# Altium PCB V5_BASE.PcbDoc (part 2 of 2)
Units mm, origin at the board's own origin, x right, y up, seen from the top; angles counter-clockwise.
Board outline 76 x 39 mm, 4 copper layers (Top Layer, Signal Layer 1, Signal Layer 2, Bottom Layer), stack 1.183 mm thick; 102 components, 180 nets, 665 pads, 337 vias.
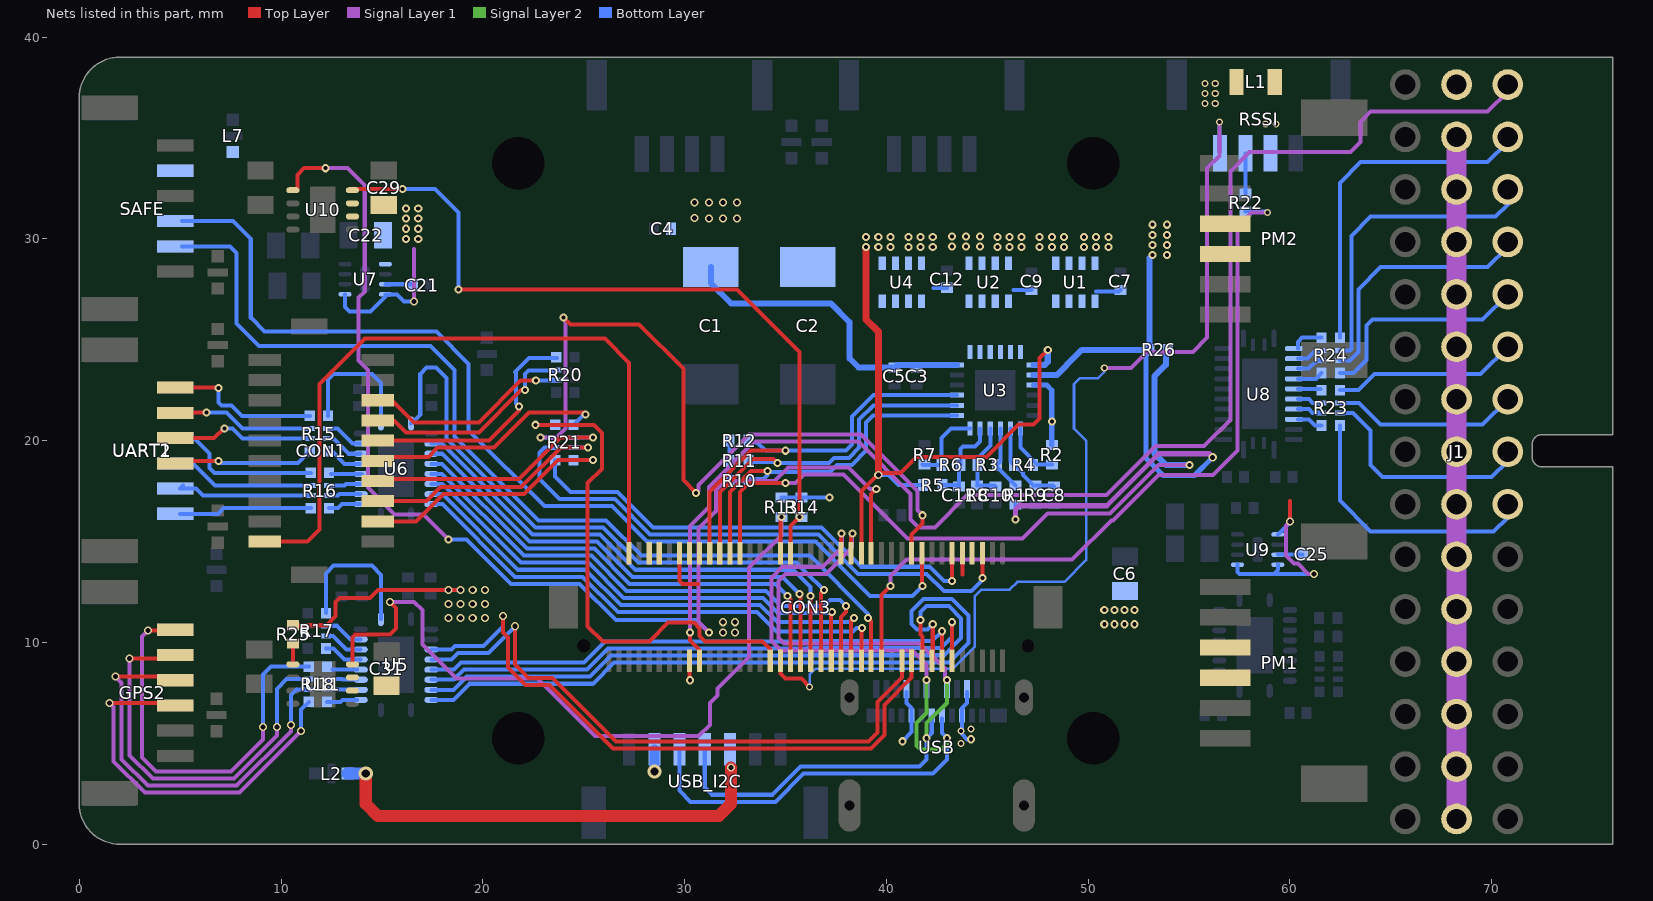
[diagram p4: the nets of this part, all layers, seen from the top]

## Via types
v1: diameter 0.4, hole 0.2, Top Layer to Bottom Layer, tented both sides, 195 vias
v2: diameter 0.4, hole 0.25, Top Layer to Bottom Layer, tented both sides, 88 vias
v3: diameter 0.35, hole 0.2, Top Layer to Bottom Layer, tented both sides, 38 vias
v4: diameter 0.7, hole 0.4, Top Layer to Bottom Layer, tented both sides, 13 vias
v5: diameter 1.6, hole 1.6, Top Layer to Bottom Layer, tented both sides, 2 vias
v6: diameter 0.6, hole 0.4, Top Layer to Bottom Layer, tented both sides, 1 vias

## Nets (pads, with @x,y where several pads share a name; then routed paths per layer and width w, separated by ;. In a path a pad name is that pad's centre, name@x,y a point inside that pad or via, vN(x,y) a via of type N, cw(c..) or ccw(c..) an arc to the next point about the centre after c; other vN are vias at no path point) (continued)
IO-USART1_TX: CON3.46 RSSI.4 | length 49.6
  Top Layer w0.2: CON3.46@34.746,9.091 34.746,8.454 35,8.2 35.8,8.2 v3(36.2,7.8)
  Signal Layer 1 w0.2: v3(50.8,23.6) 52.121,23.6 52.921,24.4 55.2,24.4 55.9,25.1 55.9,33.5 56.5,34.1 v3(56.5,35.8)
  Bottom Layer w0.125: v3(36.2,7.8) 36.2,8.4 36.5,8.7 43.3,8.7 44.373,9.773 44.373,12.273 44.7,12.6 45.46,12.6 45.472,12.612 46.112,12.612 46.5,13 48.825,13 49.9,14.075 49.9,20 49.3,20.6 49.3,22.8 49.6,23.1 50.5,23.1 50.8,23.4 v3(50.8,23.6)
  Bottom Layer w0.2: RSSI.4@56.5,34.276 v3(56.5,35.8)
MCU_3V3: R13.2 R14.2 | length 2.4
  Bottom Layer w0.2: R13.2@34.8,17.175 R14.2@35.8,17.175 v1(37.175,17.175) v1@37.2,17.2
MO_S1: R24.4 U8.14 | length 1.6
  Bottom Layer w0.2: U8.14@60.399,24.564 60.399,24.899 60.6,25.1 R24.4@61.575,25.1
MO_S2: R24.3 U8.15 | length 1.3
  Bottom Layer w0.2: U8.15@60.399,24.064 60.864,24.064 61.275,24.475 R24.3@61.575,24.475
MO_S3: R24.2 U8.16 | length 1.3
  Bottom Layer w0.2: U8.16@60.399,23.564 60.923,23.564 61.334,23.975 R24.2@61.575,23.975
MO_S4: R24.1 U8.17 | length 1.3
  Bottom Layer w0.2: U8.17@60.399,23.064 61.289,23.064 R24.1@61.575,23.35
MO_S5: R23.4 U8.18 | length 1.1
  Bottom Layer w0.2: U8.18@60.399,22.564 R23.4@61.511,22.564
MO_S6: R23.3 U8.19 | length 1.3
  Bottom Layer w0.2: U8.19@60.399,22.064 60.936,22.064 61.125,21.875 R23.3@61.575,21.875
MO_S7: R23.2 U8.20 | length 1.3
  Bottom Layer w0.2: U8.20@60.399,21.56 60.94,21.56 61.125,21.375 R23.2@61.575,21.375
MO_S8: R23.1 U8.21 | length 1.3
  Bottom Layer w0.2: U8.21@60.399,21.052 60.948,21.052 61.25,20.75 R23.1@61.575,20.75
NetC8_1: C8.1 R4.1 R9.2 U3.2 | length 4.3
  Bottom Layer w0.2: U3.2@46.15,20.6 46.15,18.975 R4.1@46.325,18.8 46.375,18.8 46.775,18.4 46.775,18.304 47.304,17.775 R9.2@47.4,17.775 48.25,17.775 C8.1@48.3,17.725
NetC10_1: C10.1 R3.1 R8.2 U3.4 | length 4
  Bottom Layer w0.2: U3.4@45.15,20.6 45.15,19.75 44.525,19.125 R3.1@44.525,18.8 44.525,17.8 R8.2@44.5,17.775 45.35,17.775 C10.1@45.4,17.725
NetC11_1: C11.1 R5.1 R6.2 U3.5 | length 4.5
  Bottom Layer w0.2: R5.1@42.775,17.8 43.525,17.8 C11.1@43.6,17.725 43.6,18.725 R6.2@43.675,18.8 43.675,19.575 43.8,19.7 44.4,19.7 44.65,19.95 U3.5@44.65,20.6
NetC21_1: C21.1 U7.3 | length 1.3
  Bottom Layer w0.2: U7.3@15.168,27.75 C21.1@16.493,27.75
NetC25_1: C25.1 U9.3 | length 1.2
  Bottom Layer w0.2: U9.3@59.4,14.35 C25.1@60.624,14.35
NetR1_1: R1.1 R3.2 U3.3 | length 3.3
  Bottom Layer w0.2: U3.3@45.65,20.6 45.65,18.975 R3.2@45.475,18.8 45.475,18.7 R1.1@46.4,17.775
NetR2_1: R2.1 R4.2 U3.1 | length 2.8
  Bottom Layer w0.2: U3.1@46.65,20.6 46.65,19.65 47.475,18.825 R2.1@48.2,18.825
NetR6_1: R6.1 R7.2 U3.6 | length 3.9
  Bottom Layer w0.2: R7.2@41.8,18.825 41.825,18.8 R6.1@42.725,18.8 42.725,20.125 43.2,20.6 U3.6@44.15,20.6
NetR10_1: R10.1 R11.1 R12.1 | length 2
  Bottom Layer w0.2: R10.1@32.225,18 R11.1@32.225,19 R12.1@32.225,20
NetR15_1: R15.1 U6.20 | length 6.7
  Bottom Layer w0.2: R15.1@12.325,21.225 12.325,23.025 12.6,23.3 14.5,23.3 14.95,22.85 U6.20@14.95,20.85
NetR15_2: R15.2 U6.18 | length 1.9
  Bottom Layer w0.2: R15.2@12.325,20.6 12.8,20.6 13.55,19.85 U6.18@13.95,19.85
NetR15_3: R15.3 U6.17 | length 1.9
  Bottom Layer w0.2: R15.3@12.325,20.1 12.6,20.1 13.35,19.35 U6.17@13.95,19.35
NetR15_4: R15.4 U6.16 | length 1.9
  Bottom Layer w0.2: R15.4@12.325,19.475 12.525,19.475 13.15,18.85 U6.16@13.95,18.85
NetR16_1: R16.1 U6.15 | length 1.5
  Bottom Layer w0.2: R16.1@12.475,18.35 U6.15@14,18.35
NetR16_2: R16.2 U6.14 | length 1.6
  Bottom Layer w0.2: R16.2@12.375,17.775 13.15,17.775 13.225,17.85 U6.14@13.95,17.85
NetR16_3: R16.3 U6.13 | length 1.6
  Bottom Layer w0.2: R16.3@12.375,17.275 12.825,17.275 12.9,17.35 U6.13@13.95,17.35
NetR16_4: R16.4 U6.12 | length 1.7
  Bottom Layer w0.2: R16.4@12.375,16.65 12.825,16.65 13.025,16.85 U6.12@13.95,16.85
NetR17_1: R17.1 U5.20 | length 7.2
  Bottom Layer w0.2: R17.1@12.225,11.45 12.225,13.425 12.6,13.8 14.5,13.8 14.95,13.35 U5.20@14.95,11.15
NetR17_2: R17.2 U5.18 | length 2
  Bottom Layer w0.2: R17.2@12.225,10.825 12.775,10.825 13.45,10.15 U5.18@13.95,10.15
NetR17_3: R17.3 U5.17 | length 2
  Bottom Layer w0.2: R17.3@12.225,10.325 12.575,10.325 13.25,9.65 U5.17@13.95,9.65
NetR17_4: R17.4 U5.16 | length 2
  Bottom Layer w0.2: R17.4@12.225,9.7 12.6,9.7 13.15,9.15 U5.16@13.95,9.15
NetR18_5: R18.5 U5.15 | length 1.2
  Bottom Layer w0.2: 12.55,8.65 U5.15@13.764,8.65
NetR18_6: R18.6 U5.14 | length 1.5
  Bottom Layer w0.2: R18.6@12.275,8.175 13.025,8.175 13.05,8.15 U5.14@13.764,8.15
NetR18_7: R18.7 U5.13 | length 1.5
  Bottom Layer w0.2: R18.7@12.275,7.675 13.739,7.675 U5.13@13.764,7.65
NetR18_8: R18.8 U5.12 | length 1.5
  Bottom Layer w0.2: R18.8@12.275,7.05 12.95,7.05 13.05,7.15 U5.12@13.764,7.15
NetR25_1: R25.1 U11.5 | length 1
  Top Layer w0.2: U11.5@10.589,8.911 10.589,9.939 R25.1@10.6,9.95
NPOWER_IN_A: CON3.55 R10.2 U3.7 | length 17.9
  Top Layer w0.2: CON3.55@32.246,14.408 32.246,17.456 33.29,18.5 v1(34.1,18.5)
  Bottom Layer w0.2: R10.2@33.175,18.1 33.9,18.1 34.1,18.3 v1(34.1,18.5) 34.15,18.45 37.2,18.45 37.55,18.8 38.29,18.8 39,19.51 39,20.9 39.35,21.25 U3.7@43.5,21.25
NPOWER_IN_B: CON3.57 R11.2 U3.8 | length 19
  Top Layer w0.2: CON3.57@31.746,14.408 31.746,17.451 33.395,19.1 34.4,19.1 v1(34.6,18.9)
  Bottom Layer w0.2: R11.2@33.175,19 33.225,18.95 34.55,18.95 v1(34.6,18.9) 37.155,18.9 37.405,19.15 38.145,19.15 38.65,19.655 38.65,21.045 39.355,21.75 U3.8@43.5,21.75
NPOWER_IN_C: CON3.59 R12.2 U3.9 | length 20.1
  Top Layer w0.2: CON3.59@31.246,14.408 31.246,17.446 33.3,19.5 v1(35,19.5)
  Bottom Layer w0.2: R12.2@33.175,19.9 33.6,19.9 34,19.5 v1(35,19.5) 38,19.5 38.3,19.8 38.3,21.19 39.36,22.25 U3.9@43.5,22.25
NRST: CON3.7
NSAFETY_SWITCH_LED: CON3.28 SAFE.5 | length 47.9
  Top Layer w0.2: v1(39.1,11.2) 39.247,11.053 CON3.28@39.247,9.091
  Bottom Layer w0.2: SAFE.5@5.1,29.625 7.48,29.625 7.8,29.305 7.8,25.8 8.9,24.7 17.41,24.7 18.6,23.51 18.6,20.21 22.76,16.05 26.105,16.05 27.855,14.3 36.21,14.3 39.1,11.41 v1(39.1,11.2)
NVDD_5V_HIPOWER_OC: CON3.45 R13.1 U11.4 | length 38.5
  Top Layer w0.2: U11.4@13.539,8.911 13.539,10.239 13.7,10.4 15.4,10.4 15.7,10.7 15.7,11.7 v2(15.4,12) ; CON3.45@34.746,14.408 v1@34.746,16.146
  Signal Layer 1 w0.2: v2(15.4,12) 16.6,12 17,11.6 17,9.9 18.7,8.2 22.7,8.2 25.55,5.35 30.7,5.35 31.25,5.9 31.25,7 31.625,7.375 31.625,7.705 33.2,9.28 33.2,13.7 34.8,15.3 v1(34.8,16.225)
NVDD_5V_PERIPH_EN: CON3.27 U10.5 | length 59.4
  Top Layer w0.2: U10.5@10.825,32.475 10.825,33.175 11.15,33.5 v1(12.2,33.5) ; CON3.27@39.247,14.408 39.247,17.347 v1(39.5,17.6)
  Signal Layer 1 w0.2: v1(12.2,33.5) 13.3,33.5 14.15,32.65 14.15,27.386 13.85,27.086 13.85,23.96 14.3,23.51 14.3,17.674 15.624,16.35 17.05,16.35 v1(18.3,15.1) ; v1(31.2,10.5) 30.7,11 30.7,15.65 31.55,16.5 31.55,17.55 32,18 34.464,18 35.139,18.675 38.125,18.675 39.2,17.6 v1(39.5,17.6)
  Bottom Layer w0.2: v1(18.3,15.1) 19.2,15.1 21.4,12.9 24.8,12.9 26.6,11.1 30.6,11.1 v1(31.2,10.5)
NVDD_5V_PERIPH_OC: CON3.43 R14.1 U10.4 | length 37.9
  Top Layer w0.2: U10.4@13.539,32.475 v1(16.025,32.475) ; v1(18.8,27.5) 32.6,27.5 35.7,24.4 v1(35.7,16.225) 35.246,15.771 CON3.43@35.246,14.408
  Bottom Layer w0.2: v1(16.025,32.475) 17.625,32.475 18.8,31.3 v1(18.8,27.5)
OTG_N: CON3.33 USB.A7 USB.B7 USB_I2C.3 | length 41.8
  Top Layer w0.2: CON3.33@37.749,14.408 v1@37.749,15.374
  Signal Layer 1 w0.2: v1@37.8,15.4 37.8,14.695 36.855,13.75 34.855,13.75 34.3,13.195 34.3,10.075 34.775,9.6 41.3,9.6 42,8.9 v1(42,8.135)
  Signal Layer 2 w0.2: v1(42,8.135) 42,6.5 41.5,6 41.5,4.9 41.7,4.7 42.7,4.7 43,5 v1(43,5.25)
  Bottom Layer w0.2: USB_I2C.3@29.75,4.7 29.75,2.65 30.3,2.1 34.5,2.1 35.9,3.5 42.3,3.5 43,4.2 v1(43,5.25) 42.75,5.5 USB.B7@42.75,6.235
  other v1: 37.775,15.4
OTG_P: CON3.31 USB.A6 USB.B6 USB_I2C.4 | length 37.5
  Top Layer w0.2: CON3.31@38.257,14.408 v1@38.257,15.332
  Signal Layer 1 w0.2: v1@38.3,15.4 38.3,14.7 37,13.4 35,13.4 34.65,13.05 34.65,10.22 34.92,9.95 41.65,9.95 42.9,8.7 42.9,8.235 v1(43,8.135)
  Signal Layer 2 w0.2: v1(42,5.25) 42,6 43,7 v1(43,8.135)
  Bottom Layer w0.2: USB_I2C.4@31,4.7 31,2.8 31.35,2.45 34.355,2.45 35.755,3.85 41.65,3.85 42,4.2 v1(42,5.25) 42.25,5.5 USB.B6@42.25,6.235
  other v1: 38.325,15.4
OUT1: J1.2 R24.5 | length 17.1
  Bottom Layer w0.2: R24.5@62.475,25.1 62.475,32.775 63.5,33.8 69.8,33.8 70.799,34.799 J1.2@70.799,35.048
OUT2: J1.3 R24.6 | length 15.3
  Bottom Layer w0.2: R24.6@62.475,24.475 62.975,24.475 63.05,24.55 63.05,30.15 64,31.1 70.2,31.1 70.799,31.699 J1.3@70.799,32.448
OUT3: J1.4 R24.7 | length 12.7
  Bottom Layer w0.2: R24.7@62.475,23.975 62.975,23.975 63.4,24.4 63.4,27.5 64.5,28.6 69.8,28.6 70.799,29.599 J1.4@70.799,29.848
OUT4: J1.5 R24.8 | length 10.9
  Bottom Layer w0.2: R24.8@62.475,23.35 63.15,23.35 63.8,24 63.8,25.7 64.1,26 69.551,26 J1.5@70.799,27.248
OUT5: J1.6 R23.5 | length 9.2
  Bottom Layer w0.2: R23.5@62.475,22.5 63.4,22.5 64.2,23.3 69.451,23.3 J1.6@70.799,24.648
OUT6: J1.7 R23.6 | length 9.3
  Bottom Layer w0.2: R23.6@62.475,21.875 63.425,21.875 64.5,20.8 69.551,20.8 J1.7@70.799,22.048
OUT7: J1.8 R23.7 | length 11.4
  Bottom Layer w0.2: R23.7@62.475,21.375 63.125,21.375 64,20.5 64,18.8 64.6,18.2 70,18.2 70.799,18.999 J1.8@70.799,19.448
OUT8: J1.9 R23.8 | length 13.6
  Bottom Layer w0.2: R23.8@62.475,20.75 62.475,17.025 64,15.5 70.1,15.5 70.799,16.199 J1.9@70.799,16.848
POWER_B: CON3.53 R26.1 | length 35.8
  Top Layer w0.2: CON3.53@32.746,14.408 32.746,17.461 33.185,17.9 v1(35,17.9)
  Signal Layer 1 w0.2: v1(35,17.9) 35.505,17.9 35.93,18.325 37.87,18.325 41.045,15.15 46.75,15.15 47.998,16.398 51.081,16.398 53.483,18.8 v1(55.025,18.8)
  Bottom Layer w0.3: R26.1@53.85,24.5 53.85,23.757 53.3,23.207 53.3,19.35 53.85,18.8 v1(55.025,18.8)
RC_IN_PORT: CON3.62 J1.1 | length 69.3
  Top Layer w0.2: v1(30.276,10.501) 30.276,10.099 30.475,9.9 30.477,9.9 30.746,9.631 CON3.62@30.746,9.091
  Signal Layer 1 w0.2: v1(30.276,10.501) 30.276,15.776 31.2,16.7 31.2,17.7 33.45,19.95 38.61,19.95 41.2,17.36 41.2,16.1 41.6,15.7 42.4,15.7 44,17.3 50.917,17.3 53.344,19.727 55.752,19.727 57.05,21.025 57.05,33.35 58,34.3 63,34.3 63.5,34.8 63.5,35.8 64,36.3 69.8,36.3 70.799,37.299 J1.1@70.799,37.648
RC_VCC: J1.RC_VCC L1.1 RSSI.2
  other v3: 58.8,35.7 59.3,35.7
RSSI: R22.2 RSSI.3 | length 2
  Bottom Layer w0.2: R22.2@57.8,32.25 RSSI.3@57.8,34.226
RSSI_IN_CHANNEL: CON3.26 R22.1 | length 38.1
  Top Layer w0.2: CON3.26@39.755,9.091 39.755,12.355 v1(40.2,12.8)
  Signal Layer 1 w0.2: v1(40.2,12.8) 40.2,13.3 41,14.1 49.2,14.1 51.148,16.048 51.226,16.048 53.478,18.3 56.2,18.3 57.4,19.5 57.4,30.6 58.1,31.3 v3(58.9,31.3)
  Bottom Layer w0.2: R22.1@57.8,31.35 v3@58.85,31.35
S.BUS_OUT: CON3.64 | length 0.8
  Top Layer w0.2: v1@30.246,8.125 CON3.64@30.246,8.942
  other v1: 30.275,8.125
SAFE_VCC: L7.P$2 SAFE.2
SAFETY: CON3.17 SAFE.4 | length 50.4
  Top Layer w0.2: v1@41.762,12.838 CON3.17@41.762,14.408
  Bottom Layer w0.2: SAFE.4@5.1,30.875 7.625,30.875 8.5,30 8.5,26.09 9.19,25.4 17.7,25.4 19.3,23.8 19.3,20.5 23.05,16.75 26.395,16.75 28.145,15 36.5,15 39.2,12.3 41.3,12.3 v1(41.8,12.8)
SCALED_V5_CH_IN: CON1.10 CON3.75 | length 36.4
  Top Layer w0.2: CON1.10@9.2,15 11.3,15 11.9,15.6 11.9,22.8 14.15,25.05 26.05,25.05 27.246,23.854 CON3.75@27.246,14.408
SERIAL1_CTS: CON3.44 U6.5 | length 23.6
  Top Layer w0.2: v1(35.1,12.3) 35.246,12.154 CON3.44@35.246,9.091
  Bottom Layer w0.2: U6.5@17.45,18.85 17.98,18.85 22.18,14.65 25.525,14.65 27.275,12.9 34.5,12.9 v1(35.1,12.3)
SERIAL1_RTS: CON3.42 U6.4 | length 24.4
  Top Layer w0.2: CON3.42@35.746,9.091 v1@35.746,12.354
  Bottom Layer w0.2: U6.4@17.45,19.35 17.975,19.35 22.325,15 25.67,15 27.42,13.25 34.85,13.25 v1(35.7,12.4)
SERIAL1_RX: CON3.38 U6.1 | length 32.6
  Top Layer w0.2: CON3.38@36.758,9.091 36.758,12.458 v1(36.9,12.6)
  Bottom Layer w0.2: U6.1@16.45,20.85 16.9,21.3 16.9,23.3 17.214,23.614 17.686,23.614 18.2,23.1 18.2,20.115 22.615,15.7 25.96,15.7 27.71,13.95 35.545,13.95 35.995,13.5 36,13.5 v1(36.9,12.6)
SERIAL1_TX: CON3.40 U6.3 | length 25.4
  Top Layer w0.2: CON3.40@36.25,9.091 v1(36.25,12.3)
  Bottom Layer w0.2: U6.3@17.45,19.85 17.97,19.85 22.47,15.35 25.815,15.35 27.565,13.6 35.4,13.6 36.25,12.75 v1(36.25,12.3)
SERIAL2_CTS: CON3.32 U6.8 | length 25.8
  Top Layer w0.2: CON3.32@38.257,9.091 38.25,9.098 38.25,11.05 v1(38.4,11.2)
  Bottom Layer w0.2: U6.8@17.45,17.35 17.995,17.35 21.745,13.6 25.09,13.6 26.84,11.85 33.745,11.85 34.595,11 38.2,11 v1(38.4,11.2)
SERIAL2_RTS: CON3.30 U6.9 | length 25.7
  Top Layer w0.2: CON3.30@38.765,9.091 v1@38.765,10.719
  Bottom Layer w0.2: U6.9@17.45,16.85 18,16.85 21.6,13.25 24.945,13.25 26.695,11.5 33.6,11.5 34.55,10.55 38.35,10.55 38.519,10.719 v1(38.797,10.719)
SERIAL2_RX: CON3.34 U6.6 | length 26.3
  Top Layer w0.2: CON3.34@37.749,9.091 37.749,11.249 38,11.5 v1(38,11.8)
  Bottom Layer w0.2: U6.6@17.45,18.35 17.985,18.35 22.035,14.3 25.38,14.3 27.13,12.55 34.035,12.55 34.785,11.8 36.9,11.8 37.2,12.1 37.7,12.1 v1(38,11.8)
SERIAL2_TX: CON3.36 U6.7 | length 24.9
  Top Layer w0.2: CON3.36@37.266,9.091 v1@37.266,11.466
  Bottom Layer w0.2: U6.7@17.45,17.85 17.99,17.85 21.89,13.95 25.235,13.95 26.985,12.2 33.89,12.2 34.64,11.45 37.25,11.45 v1(37.3,11.5)
SERIAL3_RX: CON3.20 U5.4 | length 32
  Top Layer w0.2: v2(21,11.3) 21,10.5 21.25,10.25 21.25,8.755 22.11,7.895 23.305,7.895 26.45,4.75 39.25,4.75 39.9,5.4 39.9,6.9 41.254,8.254 CON3.20@41.254,9.091
  Bottom Layer w0.2: U5.4@17.45,9.65 18.45,9.65 18.625,9.825 20.025,9.825 21,10.8 v2(21,11.3)
SERIAL3_TX: CON3.22 U5.5 | length 30.5
  Top Layer w0.2: v2(21.6,10.8) 21.6,8.9 22.255,8.245 23.45,8.245 26.595,5.1 39.105,5.1 39.55,5.545 39.55,7.045 40.771,8.266 CON3.22@40.771,9.091
  Bottom Layer w0.2: U5.5@17.45,9.15 18.445,9.15 18.77,9.475 20.275,9.475 v2(21.6,10.8)
SERIAL4_RX: CON3.16 U5.9 | length 36.3
  Top Layer w0.2: CON3.16@42.27,9.091 42.3,9.122 v1(42.3,10.9)
  Bottom Layer w0.2: U5.9@17.45,7.15 18.55,7.15 19.35,7.95 25.45,7.95 26.5,9 36.358,9 36.371,9.012 43.112,9.012 44.06,9.96 44.06,11.331 43.242,12.15 41.85,12.15 41.25,11.55 41.25,10.914 41.514,10.65 42.05,10.65 v1(42.3,10.9)
SERIAL4_TX: CON3.18 U5.8 | length 33.1
  Top Layer w0.2: v1(41.7,11.1) 41.7,10.4 41.8,10.3 41.8,9.13 CON3.18@41.762,9.091
  Bottom Layer w0.2: U5.8@17.45,7.65 18.555,7.65 19.205,8.3 25.305,8.3 26.355,9.35 36.213,9.35 36.226,9.362 42.857,9.362 43.71,10.215 43.71,11.186 43.097,11.8 42,11.8 41.7,11.5 v1(41.7,11.1)
SERIAL5_RX: CON3.12 U5.7 | length 29.3
  Top Layer w0.2: CON3.12@43.26,9.091 v1(43.26,11)
  Bottom Layer w0.2: U5.7@17.45,8.15 18.56,8.15 19.06,8.65 25.16,8.65 26.21,9.7 36.068,9.7 36.081,9.712 42.712,9.712 43.26,10.26 v1(43.26,11)
SERIAL5_TX: CON3.14 U5.6 | length 27.6
  Top Layer w0.2: CON3.14@42.752,9.091 v1(42.752,10.552)
  Bottom Layer w0.2: U5.6@17.45,8.65 18.565,8.65 18.915,9 25.015,9 26.065,10.05 35.923,10.05 35.936,10.062 42.262,10.062 v1(42.752,10.552)
SERVO_G: U2.2 U2.4 U3.15
SERVO_VCC: "J1.SERVO VCC" | length 33.8
  Signal Layer 1 w1: 68.259,1.248 68.259,3.848 68.259,6.448 68.259,9.048 68.259,11.648 68.259,14.248 68.259,16.848 68.259,19.448 68.259,22.048 68.259,24.648 68.259,27.248 68.259,29.848 68.259,32.448 68.259,35.048
SERVO_VS: C9.1 U2.1 U2.3 U3.16 | length 0.9
  Bottom Layer w0.2: 46.313,27.475 C9.1@47.2,27.475
SPI5_CS1: CON1.15 R21.1 | length 12.2
  Top Layer w0.2: CON1.15@14.8,19 15,19.2 17.3,19.2 17.75,19.65 20.55,19.65 22.3,21.4 25,21.4 v1(25.1,21.3)
  Bottom Layer w0.2: R21.1@24.489,20.786 25.003,21.3 v1(25.1,21.3)
SPI5_CS1_EX1: CON3.48 R21.8 | length 25.4
  Top Layer w0.2: v1(22.617,20.786) 25.514,20.786 25.911,20.389 25.911,18.606 25.2,17.895 25.2,10.8 25.95,10.05 28.25,10.05 29.175,10.975 30.463,10.975 30.75,10.688 30.75,10.314 31.014,10.05 33.85,10.05 34.246,9.654 CON3.48@34.246,9.091
  Bottom Layer w0.2: v1(22.617,20.786) R21.8@23.589,20.786
SPI5_CS2: CON1.13 R21.3 | length 12.2
  Top Layer w0.2: CON1.13@14.8,17 17.2,17 17.9,17.7 21.905,17.7 23.865,19.66 v1(25.214,19.66)
  Bottom Layer w0.2: R21.3@24.489,19.661 v1(25.214,19.66)
SPI5_CS2_EX1: CON3.5 R21.6 | length 28
  Top Layer w0.2: v1(44.759,13.2) CON3.5@44.759,14.408
  Bottom Layer w0.2: R21.6@23.589,19.661 23.061,19.661 22.8,19.4 22.8,18.1 23.8,17.1 26.54,17.1 28.29,15.35 36.645,15.35 38.595,13.4 42,13.4 42.85,12.55 44.208,12.55 44.759,13.101 v1(44.759,13.2)
SPI5_CS3: CON1.14 R21.2 | length 12.5
  Top Layer w0.2: CON1.14@14.8,18 14.9,18.1 21.8,18.1 23.861,20.161 v1(25.461,20.161)
  Bottom Layer w0.2: R21.2@24.489,20.161 v1(25.461,20.161)
SPI5_CS3_EX1: CON3.19 R21.7 | length 37.8
  Top Layer w0.2: v1(24,26.1) 24.35,25.75 27.75,25.75 29.938,23.562 29.938,18.038 v1(30.575,17.4) ; CON3.19@41.254,14.408 41.254,15.354 41.8,15.9 v1(41.8,16.3)
  Signal Layer 1 w0.2: v1(22.863,20.161) 23.661,20.161 24.1,20.6 24.1,26 v1(24,26.1) ; v1@30.698,17.523 30.698,17.798 33.2,20.3 38.755,20.3 41.55,17.505 41.55,16.55 v1(41.8,16.3)
  Bottom Layer w0.2: v1(22.863,20.161) R21.7@23.589,20.161
SPI5_DRDY7: CON1.12 R21.4 | length 12.9
  Top Layer w0.2: CON1.12@14.8,16 16.695,16 18.045,17.35 22.05,17.35 23.736,19.036 v1(25.461,19.036)
  Bottom Layer w0.2: R21.4@24.489,19.036 v1(25.461,19.036)
SPI5_DRDY7_EXTERNAL1: CON3.11 R21.5 | length 24
  Top Layer w0.2: v1(43.26,13.041) CON3.11@43.26,14.408
  Bottom Layer w0.2: R21.5@23.589,19.036 23.589,18.211 24.35,17.45 26.685,17.45 28.435,15.7 36.79,15.7 38.74,13.75 42.145,13.75 42.854,13.041 v1(43.26,13.041)
SPI5_MISO: CON1.16 R20.4 | length 12
  Top Layer w0.2: CON1.16@14.8,20 20.3,20 21.8,21.5 v1(21.8,21.7)
  Bottom Layer w0.2: v1(21.8,21.7) 21.65,21.85 21.65,23.35 21.6,23.4 22.3,24.1 R20.4@23.675,24.1
SPI5_MOSI: CON1.18 R20.2 | length 10.2
  Top Layer w0.2: CON1.18@14.8,22 15.5,22 16.6,20.9 19.8,20.9 21.875,22.975 v1(22.625,22.975)
  Bottom Layer w0.2: v1(22.625,22.975) R20.2@23.675,22.975
SPI5_SCK: CON1.17 R20.3 | length 10.9
  Top Layer w0.2: CON1.17@14.8,21 15.6,21 16.2,20.4 19.8,20.4 21.9,22.5 v1(22.1,22.5)
  Bottom Layer w0.2: v1(22.1,22.5) 22.1,23.3 22.275,23.475 R20.3@23.675,23.475
TELEM1_CTS: R15.7 UART1.5 | length 6.6
  Top Layer w0.2: UART1.5@5.3,21.375 5.475,21.2 5.675,21.4 v1(6.3,21.4)
  Bottom Layer w0.2: v1(6.3,21.4) 7.3,21.4 8.1,20.6 R15.7@11.425,20.6
TELEM1_RTS: R15.8 UART1.6 | length 7.2
  Top Layer w0.2: UART1.6@5,22.625 v1@6.725,22.625
  Bottom Layer w0.2: v1(6.9,22.6) 6.9,21.9 7.05,21.75 7.55,21.75 8.075,21.225 R15.8@11.425,21.225
TELEM1_RX: R15.5 UART1.3 | length 6.8
  Top Layer w0.2: UART1.3@5,18.875 5.125,19 v1(6.9,19)
  Bottom Layer w0.2: v1(6.9,19) 7,18.9 10.849,18.9 10.949,19 10.95,19 R15.5@11.425,19.475
TELEM1_TX: R15.6 UART1.4 | length 6.8
  Top Layer w0.2: UART1.4@5,20.125 6.689,20.125 7.164,20.6 v1(7.2,20.6)
  Bottom Layer w0.2: v1(7.2,20.6) 7.6,20.6 8.1,20.1 R15.6@11.425,20.1
TELEM2_CTS: R16.6 UART2.5 | length 6.8
  Bottom Layer w0.2: UART2.5@5.15,17.775 5,17.625 5.775,17.625 6.125,17.275 R16.6@11.475,17.275
TELEM2_RTS: R16.5 UART2.6 | length 6.6
  Bottom Layer w0.2: UART2.6@5,16.375 6.875,16.375 7.15,16.65 R16.5@11.475,16.65
TELEM2_RX: R16.8 UART2.3 | length 7.6
  Bottom Layer w0.2: UART2.3@5,20.125 5.675,20.125 6.45,19.35 6.45,18.65 6.7,18.4 R16.8@11.475,18.4
TELEM2_TX: R16.7 UART2.4 | length 6.9
  Bottom Layer w0.2: UART2.4@5,18.875 5.625,18.875 6.725,17.775 R16.7@11.475,17.775
TELEM4_RX: GPS2.3 R18.1 | length 19.2
  Top Layer w0.2: v2(1.5,7) GPS2.3@4.911,7
  Signal Layer 1 w0.2: v2(1.5,7) 1.7,6.8 1.7,4.1 3.25,2.55 7.95,2.55 v2(11,5.6)
  Bottom Layer w0.2: v2(11,5.6) 11,6.675 R18.1@11.375,7.05
TELEM4_TX: GPS2.4 R18.2 | length 20.3
  Top Layer w0.2: v2(1.8,8.3) GPS2.4@4.861,8.3 ; GPS2.4@5.036,8.125 GPS2.4@5.161,8
  Signal Layer 1 w0.2: v2(1.8,8.3) 2.1,8 2.1,4.195 3.395,2.9 7.805,2.9 10.5,5.595 v2(10.5,5.9)
  Bottom Layer w0.2: v2(10.5,5.9) 10.5,7.4 10.775,7.675 R18.2@11.375,7.675
TELEM5_RX: GPS2.5 R18.3 | length 19.9
  Top Layer w0.2: v2(2.5,9.2) GPS2.5@4.861,9.2
  Signal Layer 1 w0.2: v2(2.5,9.2) 2.5,4.405 3.655,3.25 7.66,3.25 9.8,5.39 v2(9.8,5.8)
  Bottom Layer w0.2: v2(9.8,5.8) 9.8,7.7 10.275,8.175 R18.3@11.375,8.175
TELEM5_TX: GPS2.6 R18.4 | length 21
  Top Layer w0.2: v2(3.4,10.6) 5.125,10.6 5.225,10.7 GPS2.6@5.3,10.625
  Signal Layer 1 w0.2: v2(3.4,10.6) 3.1,10.3 3.1,4.3 3.8,3.6 7.515,3.6 9.1,5.185 v2(9.1,5.8)
  Bottom Layer w0.2: v2(9.1,5.8) 9.1,8.4 9.5,8.8 R18.4@11.375,8.8
USART1_RX_PROT: CON3.69
USART1_TX_PROT: CON3.71
USB_I2C_VCC: L2.P$2 USB_I2C.5 | length 22.8
  Top Layer w0.6: v4(14.2,3.5) 14.2,2 14.8,1.4 31.7,1.4 32.3,2 v2(32.3,3.8)
  Bottom Layer w0.6: L2.P$2@13.3,3.5 v4(14.2,3.5)
VBUS_G: U3.13 U4.2 U4.4
VBUS_S: C2.A CON3.29 R5.2 U3.19 U4.7 U4.8 USB.A4 USB.A9 USB.B4 USB.B9 USB_I2C.2 | length 38.9
  Top Layer w0.2: CON3.29@38.765,14.408 38.775,14.419 38.775,17.511 39.6,18.336 39.664,18.4 40.7,18.4 41.5,19.2 44.96,19.2 46.56,20.8 47.3,20.8 47.6,21.1 47.6,24.1 v1(48,24.5)
  Top Layer w0.35: v1(39,29.6) 39,26 39.6,25.4 39.6,18.336 v2(39.6,18.3)
  Bottom Layer w0.2: v2(39.6,18.3) 40.1,18.3 40.6,17.8 R5.2@41.825,17.8 ; v1(40.8,5.1) 41.25,5.55 41.25,6.75 41,7 USB.A9@41,7.535 ; USB.A4@44,7.535 44,7 43.75,6.75 43.75,5.45 44,5.2 v1(44.2,5.2)
  Bottom Layer w0.3: U3.19@47.3,23.75 47.85,23.75 48,23.9 v1(48,24.5)
  Bottom Layer w0.5: v4(28.5,3.6) USB_I2C.2@28.5,4.7
  other v1: 39.6,29.6 40.2,29.6 39,30.1 39.6,30.1 40.2,30.1
  other v3: 43.7,5 43.7,5.6 44.2,5.7
VBUS_VS: C12.1 U3.14 U4.1 U4.3 | length 0.7
  Bottom Layer w0.2: 42.325,27.575 C12.1@43,27.575
VDD_5V_BRICK: C6.2 PM1.3 PM1.4 R2.2 U1.7 U1.8 U3.21 | length 3.7
  Bottom Layer w0.254: U3.21@47.3,22.75 47.95,22.75 48.2,22.5 R2.2@48.2,19.775
  other v1: 50.8,10.9 51.3,10.9 51.8,10.9 52.3,10.9 50.8,11.6 51.3,11.6 51.8,11.6 52.3,11.6 48.2,20.957 47.6,29.6 48.2,29.6 48.8,29.6 47.6,30.1 48.2,30.1 48.8,30.1
VDD_5V_BRICK2: PM2.3 PM2.4 R1.2 R26.2 U2.7 U2.8 U3.20 | length 32.7
  Signal Layer 1 w0.254: v1(46.4,16.1) 46.4,16.6 46.575,16.775 50.925,16.775 53.5,19.35 56,19.35 v2(56.175,19.175)
  Bottom Layer w0.2: v1(46.4,16.1) R1.2@46.4,16.825
  Bottom Layer w0.254: R26.2@53.05,24.5 52.873,24.323 52.873,19.127 53.725,18.275 55.275,18.275 v2(56.175,19.175)
  Bottom Layer w0.3: U3.20@47.3,23.25 48.45,23.25 48.938,23.738 48.938,23.75 49.687,24.5 R26.2@53.05,24.5 53.05,29.05 v1(53.2,29.2)
  other v1: 53.9,29.2 43.25,29.625 43.95,29.625 44.65,29.625 53.2,29.7 53.9,29.7 43.25,30.125 43.95,30.125 44.65,30.125 53.2,30.2 53.9,30.2 53.2,30.7 53.9,30.7
VDD_5V_IN: C1.A C3.2 C4.2 C5.2 C22.1 C29.1 C31.1 CON3.9 CON3.61 CON3.63 CON3.65 L1.2 R25.2 U1.5 U1.6 U2.5 U2.6 U3.12 U4.5 U4.6 U7.1 U7.4 U7.5 U9.1 U9.4 U9.5 U10.2 U10.3 U11.2 U11.3 | length 46
  Top Layer w0.2: R25.2@10.6,10.85 12.25,10.85 12.7,11.3 12.7,12 12.9,12.2 14.4,12.2 14.8,12.6 v2(18.9,12.6) ; CON3.65@29.746,14.408 29.746,13.054 29.9,12.9 30.7,12.9 ; 43.768,13.356 CON3.9@43.768,14.408 ; v2(60,16) 60,17
  Signal Layer 1 w0.2: v2(16.6,26.9) 16.6,29.5 ; v2(60,16) 59.8,15.8 59.8,14.3 60.2,13.9 60.4,13.9 60.9,13.4 v2(61.2,13.4)
  Bottom Layer w0.2: U7.5@13.168,27.25 13.168,26.632 13.4,26.4 14.436,26.4 15.168,27.132 U7.4@15.168,27.25 15.75,27.25 16.1,26.9 v2(16.6,26.9) ; U9.5@57.4,13.85 57.4,13.5 57.5,13.4 59.2,13.4 ; U9.4@59.4,13.85 59.4,13.6 59.2,13.4 ; U9.1@59.4,15.35 60,15.95 v2(60,16) ; v2(61.2,13.4) 59.2,13.4
  Bottom Layer w0.3: C1.A@31.3,28.603 31.3,27.8 32.3,26.8 37.25,26.8 38.175,25.875 38.175,24.075 38.625,23.625 C5.2@40.4,23.625 ; C5.2@40.525,23.75 U3.12@43.5,23.75
  other v1: 41.1,29.6 41.7,29.6 42.3,29.6 45.5,29.6 46.1,29.6 46.7,29.6 49.8,29.6 50.4,29.6 51,29.6 16.2,30 16.8,30 41.1,30.1 41.7,30.1 42.3,30.1 45.5,30.1 46.1,30.1 46.7,30.1 49.8,30.1 50.4,30.1 51,30.1 16.2,30.5 16.8,30.5 16.2,31 16.8,31 16.2,31.5 16.8,31.5
  other v2: 31.9,10.5 32.5,10.5 31.9,11 32.5,11 18.3,11.2 18.9,11.2 19.5,11.2 20.1,11.2 18.3,11.9 18.9,11.9 19.5,11.9 20.1,11.9 18.3,12.6 19.5,12.6 20.1,12.6 31.2,31 31.9,31 32.6,31 30.5,31.025 30.5,31.8 31.2,31.8 31.9,31.8 32.6,31.8
  other v3: 55.8,36.7 56.3,36.7 55.8,37.2 56.3,37.2 55.8,37.7 56.3,37.7
VDD_G: U1.2 U1.4 U3.17
VDD_VS: C7.1 U1.1 U1.3 U3.18 | length 1.2
  Bottom Layer w0.2: 50.4,27.4 51.525,27.4 C7.1@51.6,27.475
pads on no net: CAN1.0 CAN2.0 CON1.0 CON3.hole-1 CON3.hole-2 GPS2.0 I2C2.0 PM1.0 PM2.0 R17.7 R17.8 R20.1 R20.8 RSSI.0 SAFE.6 U3.11 U3.22 U3.23 U5.1 U5.3 U7.6 U9.6 U10.1 U10.8 U11.1 U11.8 U19.8 U19.9 U19.12 U19.13 UART1.0 USB.A2 USB.A3 USB.A5 USB.A8 USB.A10 USB.A11 USB.B2 USB.B3 USB.B5 USB.B8 USB.B10 USB.B11
copper on no net:
  other v5: 74.624,5.148 74.624,33.748

## Polygon pours and split planes (outlines as drawn)
5V_OUT2 on Bottom Layer "NONET_L-01_P-001" (solid, remove dead copper, pour order 120): 7.1,36.3 7.1,35.5 8.4,35.5 8.5,35.4 8.5,34.7 9.3,34.7 9.4,34.8 9.4,36.7 7.1,36.7
SAFE_VCC on Bottom Layer "NONET_L-01_P-001" (solid, remove dead copper, pour order 116): 3.8,33.8 3.8,32.9 5.6,32.9 6.2,32.9 8.3,32.9 8.5,33.1 8.5,34.7 7.2,34.7 6.5,34 3.9,34 3.8,33.9
5V_OUT1 on Bottom Layer "NONET_L-01_P-001" (solid, remove dead copper, pour order 114): 0.141,21.9 5.841,21.9 5.841,20.8 3.641,20.8 3.541,20.7 3.541,17.1 0.141,17.1
RC_VCC on Bottom Layer "NONET_L-01_P-001" (solid, remove dead copper, pour order 80): 58.4,32.9 59.5,32.9 59.8,32.9 59.8,35.2 60,35.4 60.1,35.4 64.5,35.4 64.7,35.6 64.9,35.8 69.5,35.8 69.5,38.9 69.6,39 66.8,39 66.8,37.4 66.5,37.1 66.3,36.9 64.7,36.9 63.9,36.9 63.4,36.4 63.2,36.2 58.4,36.2
VBUS_G on Bottom Layer "Top Layer-No Net" (solid, remove dead copper, pour order 0): 44.4,24.8 44.4,24 39,24 38.8,24.2 38.7,24.3 38.7,27.2 40,27.2 40,26.5 40.9,26.5 40.9,27.2 41.4,27.2 41.4,24.8
VBUS_VS on Bottom Layer "Top Layer-No Net" (solid, remove dead copper, pour order 2): 39.9,27.2 39.9,26.5 40.8,26.5 40.8,27.2 41.3,27.2 41.3,24.8 44.275,24.8 44.275,24 44.8,24 44.8,25.3 44.7,25.4 44.6,25.5 42.5,25.5 42.5,28 42.5,28.2 41.8,28.2 39.9,28.2
SERVO_G on Bottom Layer "Top Layer-No Net" (solid, remove dead copper, pour order 6): 44.8,24 45.4,24 45.4,25.9 45.4,26.2 45.7,26.5 45.7,27.3 45.1,27.3 45.1,26.5 44.5,26.5 44.5,27.4 43.5,27.4 43.4,27.3 43.4,25.5 44.6,25.5 44.7,25.4 44.8,25.3
SERVO_VS on Bottom Layer "Top Layer-No Net" (solid, remove dead copper, pour order 8): 45.375,24 45.8,24 45.8,24.8 45.8,25.6 46.3,26.1 46.3,28.2 44.6,28.2 44.4,28 44.421,27.979 44.421,26.434 45.034,26.434 45.1,26.5 45.1,27.3 45.7,27.3 45.7,26.5 45.4,26.2
VDD_G on Bottom Layer "Top Layer-No Net" (solid, remove dead copper, pour order 10): 45.8,24 46.3,24 46.3,25.1 47.1,25.9 47.6,26.4 48.7,26.4 48.7,27.4 48.8,27.5 49.4,27.5 49.4,26.6 50,26.6 50,28.1 49.9,28.2 49.8,28.3 47.9,28.3 47.8,28.3 47.6,28.1 47.5,28 47.5,27.1 46.4,27.1 46.3,27 46.3,26.133 46.3,26.1 45.8,25.6
VDD_VS on Bottom Layer "Top Layer-No Net" (solid, remove dead copper, pour order 14): 46.3,24 46.9,24 47,24.1 47,24.6 47,24.7 48,25.7 50.7,25.7 50.7,27.5 50,27.5 50,26.6 49.4,26.6 49.4,27.5 48.8,27.5 48.7,27.4 48.7,26.4 47.6,26.4 46.3,25.1
VDD_5V_BRICK2 on Bottom Layer "Top Layer-No Net" (solid, remove dead copper, pour order 18): 43.425,28.4 44.275,28.4 44.275,29.275 44.575,29.275 44.575,28.4 44.95,28.4 44.95,30.4 43.4,30.4 42.9,30.4 42.9,29 43.4,29 43.4,28.4
VDD_5V_IN on Bottom Layer "Top Layer-No Net" (solid, remove dead copper, pour order 22): 45.1,28.4 45.575,28.4 45.575,29.275 45.875,29.275 45.875,28.4 46.6,28.4 46.6,29.2 47,29.2 47,30.4 45.1,30.4 45.1,28.7
VDD_5V_IN on Bottom Layer "Top Layer-No Net" (solid, remove dead copper, pour order 32): 40.8,28.4 41.275,28.4 41.275,29.275 41.575,29.275 41.575,28.4 42.3,28.4 42.3,29.2 42.7,29.2 42.7,30.4 40.8,30.4 40.8,28.7
VBUS_S on Bottom Layer "Top Layer-No Net" (solid, remove dead copper, pour order 34): 39.125,28.4 39.975,28.4 39.975,29.275 40.275,29.275 40.275,28.4 40.65,28.4 40.65,30.4 39.1,30.4 38.6,30.4 38.6,29 39.1,29 39.1,28.4
VDD_5V_IN on Bottom Layer "Top Layer-No Net" (solid, remove dead copper, pour order 36): 49.4,28.4 49.875,28.4 49.875,29.275 50.175,29.275 50.175,28.4 50.9,28.4 50.9,29.2 51.3,29.2 51.3,30.4 49.4,30.4 49.4,28.7
VDD_5V_BRICK on Bottom Layer "Top Layer-No Net" (solid, remove dead copper, pour order 38): 47.725,28.4 48.575,28.4 48.575,29.275 48.875,29.275 48.875,28.4 49.25,28.4 49.25,30.4 47.7,30.4 47.2,30.4 47.2,29 47.7,29 47.7,28.4
VBUS_S on Bottom Layer "Top Layer-No Net" (solid, remove dead copper, pour order 40): 33.9,27.3 34,27.2 40,27.2 40,30.3 39.9,30.4 33.9,30.4
VDD_5V_IN on Bottom Layer "Top Layer-No Net" (solid, remove dead copper, pour order 42): 29.1,27.3 33.9,27.3 33.9,30.4 40.65,30.4 40.65,29.275 42.7,29.275 42.7,32.6 29.5,32.6 29.1,32.2
VDD_5V_IN on Bottom Layer "Top Layer-No Net" (solid, remove dead copper, pour order 44): 40.639,30.3 44.777,30.3 44.777,29.466 44.809,29.497 51.127,29.497 51.127,30.8 51.027,30.9 49.327,32.6 47.327,32.6 42.627,32.6 42.527,32.5
D1_3V3 on Bottom Layer "NONET_L-01_P-001" (solid, remove dead copper, pour order 58): 11,30.4 11,28.7 12,28.7 12.2,28.5 13.7,28.5 13.7,29.3 13.6,29.4 13.5,29.5 12.7,29.5 12.7,30.2 12.5,30.4
D2_3V3 on Bottom Layer "NONET_L-01_P-001" (solid, remove dead copper, pour order 60): 11,28.3 11,25.9 12.1,25.9 12.2,26 12.2,27.4 12.2,27.8 12.3,27.9 12.4,28 13.7,28 13.7,28.5 11,28.5
VDD_5V_IN on Bottom Layer "NONET_L-01_P-001" (solid, remove dead copper, pour order 62): 14.8,28.6 16.6,28.6 17.2,29.2 17.2,32 15.7,32 15.4,31.7 14.6,31.7 14.6,28.9 14.8,28.7
VBUS_S on Bottom Layer "NONET_L-01_P-001" (solid, remove dead copper, pour order 66): 27.9,3 29.3,3 29.3,5.6 29.5,5.8 29.6,5.9 35.2,5.9 35.2,4.505 35.755,3.95 41.65,3.95 41.65,6.65 41.6,6.7 41.3,7 41.3,8.3 40.8,8.3 40.8,6 40.3,5.5 37.8,5.5 37.3,5.5 36.2,6.6 35.2,7.6 31.3,7.6 28.6,7.6 27.9,6.9
VDD_5V_BRICK on Bottom Layer "NONET_L-01_P-001" (solid, remove dead copper, pour order 70): 50.4,13 50.4,11.7 50.4,10.5 52.8,10.5 52.8,13
IO1_3V3 on Bottom Layer "NONET_L-01_P-001" (solid, remove dead copper, pour order 72): 55.5,15.5 56.6,15.5 56.8,15.3 56.9,15.2 57.8,15.2 57.8,17 57.7,17.1 55.5,17.1
IO2_3V3 on Bottom Layer "NONET_L-01_P-001" (solid, remove dead copper, pour order 74): 55.5,15.3 55.5,13.9 56.6,13.9 56.6,14.4 56.8,14.6 57.8,14.6 57.8,15.2 56.9,15.2 56.6,15.5 55.5,15.5
USB_I2C_VCC on Bottom Layer "NONET_L-01_P-001" (solid, remove dead copper, pour order 128): 31.6,5.6 31.6,2.45 33.2,2.45 33.2,5.5 33.1,5.6
GND on Bottom Layer "NONET_L-01_P-001" (solid, remove dead copper, pour order 144): -0.4,-0.3 -0.3,-0.2 76.2,-0.2 76.2,38.9 76,39.1 -0.5,39.1
I2C2_VCC on Top Layer "NONET_L-01_P-001" (solid, remove dead copper, pour order 118): 3.6,30 3.6,29.1 5.6,29.1 5.7,29 5.9,28.8 7.3,28.8 7.3,29.6 7.35,29.65 6.8,30.2 6.3,30.2 3.7,30.2 3.6,30.1
5V_OUT1 on Top Layer "NONET_L-01_P-001" (solid, remove dead copper, pour order 112): 6.2,18.4 6.2,17 0,17 0,22 3.4,22 3.5,21.9 3.7,21.7 3.7,18.4
RC_VCC on Top Layer "NONET_L-01_P-001" (solid, remove dead copper, pour order 82): 58.4,35.5 60.1,35.5 60.1,39 58.4,39
VDD_5V_IN on Top Layer "NONET_L-01_P-001" (solid, remove dead copper, pour order 46): 13.2,32.1 13.2,30.9 14.3,30.9 14.4,30.8 14.6,30.6 14.6,29.9 14.6,29.6 17.3,29.6 17.3,32 17.2,32.1 13.2,32.1
5V_OUT1 on Top Layer "NONET_L-01_P-001" (solid, remove dead copper, pour order 50): 7.9,32.3 10,32.3 10.1,32.2 10.2,32.1 11.1,32.1 11.1,31 11,30.9 10.9,30.8 10.2,30.8 10.1,30.8 9.9,30.6 9.45,30.15 8.4,30.15 8.4,30.6 7.9,31.1
VDD_5V_IN on Top Layer "NONET_L-01_P-001" (solid, remove dead copper, pour order 54): 13,8.4 13,7.4 16.7,7.4 19.1,7.4 19.8,8.1 20.5,8.8 20.5,12.2 20.5,12.9 20.2,13.2 20.1,13.3 17.9,13.3 17.9,9.2 17.2,8.5 17.1,8.4 13,8.4
VDD_5V_IN on Top Layer "NONET_L-01_P-001" (solid, remove dead copper, pour order 56): 30,15 30,10.05 33.3,10.05 33.3,13.1 33.2,13.2 32.8,13.6 31.1,13.6 31.1,15 30.6,15 30.6,13.8 30.4,13.8 30.4,15
VDD_5V_BRICK on Top Layer "NONET_L-01_P-001" (solid, remove dead copper, pour order 68): 58.24,8.767 58.24,6.6 52.59,6.417 49.64,9.367 49.64,13.167 52.74,13.167 52.74,10.667 52.94,10.467 58.24,10.467 58.24,9.267 55.44,9.267 55.44,8.667 55.44,8.767
5V_OUT2 on Top Layer "NONET_L-01_P-001" (solid, remove dead copper, pour order 122): 6.2,24.3 6.2,23.3 7,23.3 7.1,23.2 7.2,23.1 7.2,22.3 8.1,22.3 8.1,24.3
I2C3_VCC on Top Layer "NONET_L-01_P-001" (solid, remove dead copper, pour order 124): 6.2,25.2 8,25.2 8.1,25.1 8.3,24.9 8.3,23.7 10.1,23.7 10.1,26.2 6.2,26.2
5V_OUT2 on Top Layer "NONET_L-01_P-001" (solid, remove dead copper, pour order 126): 6.4,6.8 7.3,6.8 7.4,6.8 7.6,6.6 7.8,6.4 9,6.4 10,7.4 11,7.4 11,8.6 6.4,8.6
5V_OUT2 on Top Layer "NONET_L-01_P-001" (solid, remove dead copper, pour order 132): 6.2,15.3 6.2,14 6.3,13.9 8.2,13.9 8.2,15.3
VDD_5V_IN on Top Layer "NONET_L-01_P-001" (solid, remove dead copper, pour order 138): 31.813,10.305 47.3,10.3 47.3,12.5 47.5,12.7 48.4,13.6 48.4,15.3 48.4,15.7 48.9,16.2 49.3,16.6 60.4,16.6 60.4,35.3 60.2,35.5 59.3,36.4 55.5,36.4 52.3,36.4 51.7,35.8 50.3,34.4 50.3,32.5 38.4,32.5 38.1,32.2 37.6,31.7 37.6,28.4 52.4,28.4 52.8,28.8 52.8,30.5 52.8,31.1 53.9,32.2 55.8,34.1 58.2,34.1 58.2,22.3 55.8,19.9 54.95,19.05 47.85,19.05 47.25,18.45 46.1,17.3 46.1,13.7 32.2,13.7 31.8,13.3
GND on Top Layer "NONET_L-01_P-001" (solid, remove dead copper, pour order 142): -0.4,-0.3 -0.3,-0.2 76.2,-0.2 76.2,38.9 76,39.1 -0.5,39.1
VDD_5V_IN on Top Layer "NONET_L-01_P-001" (solid, remove dead copper, pour order 160): 30.1,30.6 33.1,30.6 33.1,32.2 30.1,32.2
5V_OUT2 on Signal Layer 1 "NONET_L-01_P-001" (solid, remove dead copper, pour order 108): 5.6,8.8 7.7,8.8 8.6,8.8 9.3,9.5 9.3,14 9.3,25.5 10.8,27 11.8,28 11.8,34.6 11.8,36.4 7.4,36.4 7.4,34.1 7.4,32.6 9.8,32.5 9.8,28.3 7.2,25.7 7,25.5 7,12.6 7,11.6 5.6,10.2
5V_OUT1 on Signal Layer 1 "NONET_L-01_P-001" (solid, remove dead copper, pour order 100): 3.5,17.3 -0.2,17.3 -0.2,25.8 -0.2,26.3 -0.2,27.9 1.2,27.9 6,27.9 6.3,27.9 7.3,28.9 7.6,29.2 7.6,32.6 9.7,32.6 9.8,32.5 9.8,29.3 9.8,28.3 7.8,26.3 7.2,25.7 7,25.6 4.6,25.6 3.5,24.5
VDD_5V_IN on Signal Layer 1 "NONET_L-01_P-001" (solid, remove dead copper, pour order 88): 14.9,29 18.4,29 18.8,29.4 18.8,29.7 18.8,34.5 19.1,34.8 20,35.7 25.8,35.7 29.6,35.7 30,35.3 30,30.3 33.2,30.3 33.5,30.6 34,31.1 34,39 14.8,39 14.9,38.9 14.9,29
VDD_5V_IN on Signal Layer 1 "NONET_L-01_P-001" (solid, remove dead copper, pour order 84): 17.727,13.13 17.663,13.066 17.663,9.53 18.963,8.23 22.963,8.23 25.813,5.38 30.963,5.38 31.163,5.58 31.163,6.93 31.163,7.13 33.463,9.43 33.388,9.505 33.388,12.155 31.438,12.155 31.338,12.155 29.963,10.78 29.963,8.23 25.988,8.355 24.738,9.605 21.713,12.63 21.713,13.13
VDD_5V_BRICK2 on Signal Layer 1 "NONET_L-01_P-001" (solid, remove dead copper, pour order 76): 42.9,30.4 42.9,26.5 43.3,26.1 43.6,25.8 54.5,25.8 54.5,31 52.7,31 52.7,28.5 52.2,28 52.1,27.9 45.1,27.9 45.1,30.3 45,30.4
VBUS_S on Signal Layer 1 "NONET_L-01_P-001" (solid, remove dead copper, pour order 64): 39.95,6.25 39.9,6.2 39.9,4.4 44.9,4.4 45.3,4.8 45.3,6.5 40.4,6.5 40.3,6.6
5V_OUT2 on Signal Layer 1 "NONET_L-01_P-001" (solid, remove dead copper, pour order 130): 5.6,8.8 5.6,6.3 8.9,6.3 8.9,10.159
VDD_5V_IN on Signal Layer 1 "NONET_L-01_P-001" (solid, remove dead copper, pour order 156): 40.7,29.3 42.9,29.3 42.9,30.4 45,30.4 45.1,30.3 45.1,29.2 47.1,29.2 47.1,30.4 49.3,30.4 49.3,29.2 51.6,29.2 51.7,29.3 51.8,29.4 51.8,31.6 41.2,31.6 40.7,31.1
GND on Signal Layer 1 "NONET_L-01_P-001" (solid, remove dead copper, pour order 158): -0.4,-0.3 -0.3,-0.2 76.2,-0.2 76.2,38.9 76,39.1 -0.5,39.1
VBUS_S on Signal Layer 2 "NONET_L-01_P-001" (solid, remove dead copper, pour order 86): 38.225,30.4 40.625,30.4 40.65,30.375 40.85,30.175 40.85,9.45 40.85,9.35 41.15,9.05 44.2,9.05 44.525,9.05 44.975,8.6 45.1,8.475 45.1,3.025 38.925,3.025 38.875,2.975 38.25,3.6 38.25,30.35
VDD_5V_BRICK on Signal Layer 2 "NONET_L-01_P-001" (solid, remove dead copper, pour order 78): 47.1,30.5 47.2,30.4 47.2,12.4 47.2,10.7 47.8,10.1 53.4,10.1 53.4,12.6 53.3,12.7 52.9,13.1 50.3,13.1 50,13.1 49.4,13.7 49.4,30.5
GND on Signal Layer 2 "NONET_L-01_P-001" (solid, remove dead copper, pour order 146): -0.4,-0.3 -0.3,-0.2 76.2,-0.2 76.2,38.9 76,39.1 -0.5,39.1
VDD_5V_IN on Signal Layer 2 "NONET_L-01_P-001" (solid, remove dead copper, pour order 148): 18,10.7 20.5,10.7 20.6,10.8 20.6,13.1 17.9,13.1 17.7,12.9 17.7,10.6
VDD_5V_IN on Signal Layer 2 "NONET_L-01_P-001" (solid, remove dead copper, pour order 150): 30.3,30.3 32.8,30.3 32.9,30.4 32.9,32.7 30.2,32.7 30,32.5 30,30.2

## Keep-outs
Keep-Out Layer:
  lines w0.013: 0,2 ccw(c2,2) 2,0 76,0 76,18.7 72.5,18.7 cw(c72.5,19.2) 72,19.2 72,19.5 72,19.8 cw(c72.5,19.8) 72.5,20.3 76,20.3 76,39 2,39 ccw(c2,37) 0,37 0,2

## Other copper
Top Layer:
  rectangle net VDD_5V_IN: 55.4,36.4 58,38.8
  rectangle net VDD_5V_BRICK2: 52.7,28.8 58.1,31.2
  rectangle net GND: 11.5,6.2 12.6,9.7
  rectangle net GND: 14.221,8.846 16.3,10.1
  rectangle net GND: 55.296,31.596 58,32.7
Bottom Layer:
  rectangle net GND: 0.4,1.625 3.054,3.354
  rectangle net GND: 0.4,35.6 3.054,37.329
  rectangle net GND: 0.159,23.621 3.054,27.354
  rectangle net GND: 0.159,11.621 3.054,15.354
  rectangle net VDD_5V_BRICK2: 52.775,28.275 54.5,31.15

## Silkscreen, mask and mechanical layers (free items; w line width, h text height)
Top Overlay:
  lines w0.1: 17.5,5.75 ccw(c22.25,5.75) 22.25,1 49.75,1 ccw(c49.75,5.75) 54.5,5.75 54.5,33.25 ccw(c49.75,33.25) 49.75,38 22.25,38 ccw(c22.25,33.25) 17.5,33.25 17.5,5.75
Bottom Overlay:
  circle w1.5: c21.75,5.25 r2
  circle w1.5: c50.25,5.25 r2
  circle w1.5: c50.25,33.75 r2
  circle w1.5: c21.75,33.75 r2